# Altium PCB nRF52840-kit.PcbDoc (part 2 of 5)
Units mm, origin at the board's own origin, x right, y up, seen from the top; angles counter-clockwise.
Board outline 48 x 29.82 mm, 4 copper layers (Top Layer, Mid-Layer 1, Mid-Layer 2, Bottom Layer), stack 1.505 mm thick; 383 components, 85 nets, 1399 pads, 1434 vias.
Unrouted connection lines stored in the file: 8.
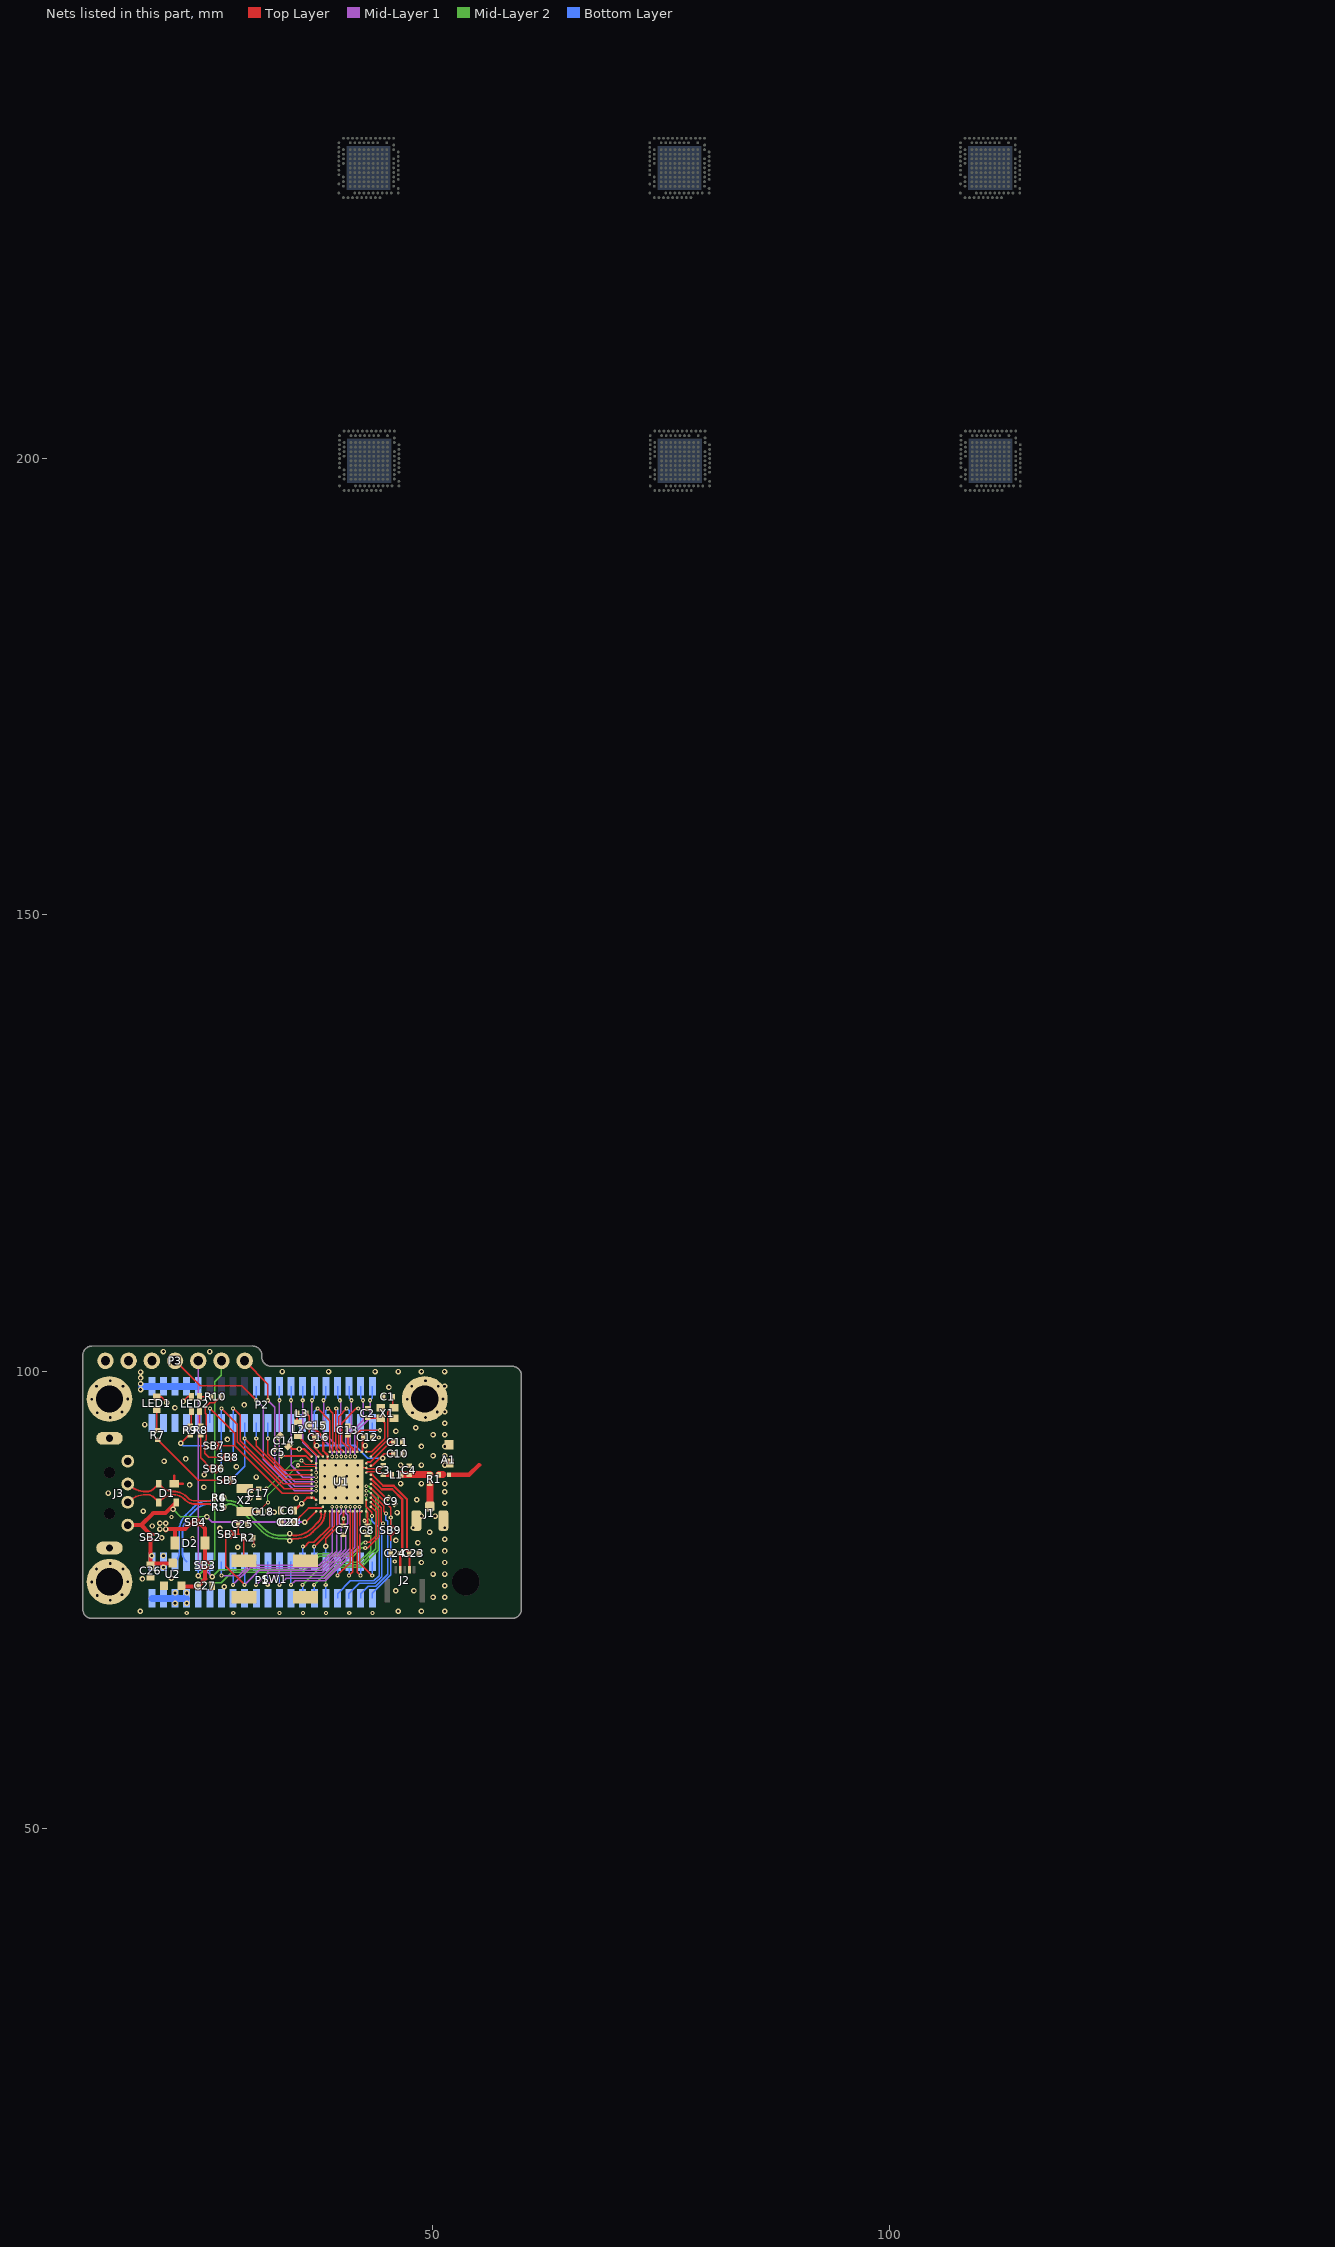
[diagram p4: the nets of this part, all layers, seen from the top]

## Footprints (in the part's own frame and the unit in brackets; to place one, negate y for a bottom-side part, rotate by r counter-clockwise, add the part's x,y. Pads: shape width x height; smd on the part's side, far side on the other; paste and mask are expansions set on the pad) (continued)
SOT-23#2 [mm] "1-G 2-S 3-D"
  silkscreen extent -1.51,-0.38 1.5,0.69, body extent -1.52,-1.23 1.48,1.27, height 1.06
Switch-PB-6.2x6.3mm-SMD#1 [mm]
  rect 2.75x1.4 smd: 1(-3.375,2) 2(-3.375,-2) 3(3.375,2) 4(3.375,-2)
  silkscreen extent -2.93,-3 3,3, body extent -4,-3 4,3.3, height 3.1
Switch-PB-6.2x6.3mm-SMD#2 [mm]
  silkscreen extent -2.93,-3 3,3, body extent -4,-3 4,3.3, height 3.1
USB-A-DIP#1 [mm]
  round 1.4 hole 0.8: 1(3.5,0) 2(1,0) 3(-1,0) 4(-3.5,0)
  oval 1.4x2.9 hole 0.8 slot 2.3 at 90 deg: 5(-6,-2) 5(6,-2)
  round 1.2 hole 1.2: ""(-2.25,-2) ""(2.25,-2)
  body extent -6.3,-19.72 6.3,0.2, height 4.5
USB-A-DIP#2 [mm]
  body extent -6.3,-19.72 6.3,0.2, height 4.5
XTAL_2016#1 [mm]
  rect 0.95x0.85 smd: 1(-0.725,-0.575) 2(0.725,-0.575) 3(0.725,0.575) 4(-0.725,0.575)
  silkscreen extent -1.08,-0.88 1.08,0.88, body extent -1.05,-0.85 1.05,0.85, height 0.56
XTAL_2016#2 [mm]
  silkscreen extent -1.08,-0.88 1.08,0.88, body extent -1.05,-0.85 1.05,0.85, height 0.56
XTAL_3215#1 [mm]
  rect 1x1.8 smd: 1(-1.25,0) 2(1.25,0)
  silkscreen extent -0.6,-0.75 0.6,0.75, body extent -1.6,-0.75 1.6,0.75, height 0.81
XTAL_3215#2 [mm]
  silkscreen extent -0.6,-0.75 0.6,0.75, body extent -1.6,-0.75 1.6,0.75, height 0.81

## Part data
A1 A1_1 A1_1_1 A1_2 A1_2_1 A1_3: "Texas Instrument"
C1 C1_1 C1_1_1 C1_2 C1_2_1 C1_3 C2 C2_1 C2_1_1 C2_2 C2_2_1 C2_3 C3 C3_1 C3_1_1 C3_2 C3_2_1 C3_3 C4 C4_1 C4_1_1 C4_2 C4_2_1 C4_3 C5 C5_1 C5_1_1 C5_2 C5_2_1 C5_3 C6 C6_1 C6_1_1 C6_2 C6_2_1 C6_3 C7 C7_1 C7_1_1 C7_2 C7_2_1 C7_3 C8 C8_1 C8_1_1 C8_2 C8_2_1 C8_3 C9 C9_1 C9_1_1 C9_2 C9_2_1 C9_3 C10 C10_1 C10_1_1 C10_2 C10_2_1 C10_3 C11 C11_1 C11_1_1 C11_2 C11_2_1 C11_3 C12 C12_1 C12_1_1 C12_2 C12_2_1 C12_3 C13 C13_1 C13_1_1 C13_2 C13_2_1 C13_3 C14 C14_1 C14_1_1 C14_2 C14_2_1 C14_3 C15 C15_1 C15_1_1 C15_2 C15_2_1 C15_3 C16 C16_1 C16_1_1 C16_2 C16_2_1 C16_3 C17 C17_1 C17_1_1 C17_2 C17_2_1 C17_3 C18 C18_1 C18_1_1 C18_2 C18_2_1 C18_3 C20 C20_1 C20_1_1 C20_2 C20_2_1 C20_3 C21 C21_1 C21_1_1 C21_2 C21_2_1 C21_3 C23 C23_1 C23_1_1 C23_2 C23_2_1 C23_3 C24 C24_1 C24_1_1 C24_2 C24_2_1 C24_3 C25 C25_1 C25_1_1 C25_2 C25_2_1 C25_3 C26 C26_1 C26_1_1 C26_2 C26_2_1 C26_3 C27 C27_1 C27_1_1 C27_2 C27_2_1 C27_3: library part Capacitor, "common library", Tolerance=±5%
D1 D1_1 D1_1_1 D1_2 D1_2_1 D1_3: "Ultra low capacitance double rail-to-rail ESD protection diode", 2nd source part number=152-4157, Manufacturer=NXP, Supplier part number=568-4140-1-ND, 2nd source Supplier=Farnell, Artikkelnr Noca=10069015, Artikkelnr Simpro=N.A., Datasheet=http://www.farnell.com/datasheets/109718.pdf, Footprint Doc=SOT-143B, LatestRevisionDate=2012-06-11, Manufacturer Part Number=PRTR5V0U2X, Part Number=PRTR5V0U2X, Published=2012-06-11, Publisher="Nordic Semiconductor", Supplier=Digi-Key
D2 D2_1 D2_1_1 D2_2 D2_2_1 D2_3: library part "Diode Schottky", "common library"
J1 J1_1 J1_1_1 J1_2 J1_2_1 J1_3: library part "IPEX connector", "Hirose", MF=Hirose, MP=U.FL-R-SMT_01_, Note=Ipex
J2 J2_1 J2_1_1 J2_2 J2_2_1 J2_3: "0.5mm FPC, 5P,Right Angle SMT,Double Contact,H=1.2mm,White, Tin plated", 2nd source part number=WM9836CT-ND, Manufacturer=W-CON, Manufacturer Part Number=5141-05RZDNWR01, Part Number=FPC_05P-0.5mm-RA-SMD, Part number IPS=00000007792, 2nd source Supplier=Digi-Key, Artikkelnr Noca=55010020, Artikkelnr Simpro=N.A., Datasheet=\\hizz\pro\app9717\Datasheet\connectores\W-CON\5141-XXRZDNXX0X.pdf, Footprint Doc=FPC_05P-0.5mm-RA-SMD, LatestRevisionDate=2016-04-21, Pin Count=7, Published=2015-06-22, Publisher="Nordic Semiconductor", Supplier=Cabcon, Supplier part number=5141-05RZDNWR01
L1 L1_1 L1_1_1 L1_2 L1_2_1 L1_3 L2 L2_1 L2_1_1 L2_2 L2_2_1 L2_3 L3 L3_1 L3_1_1 L3_2 L3_2_1 L3_3: library part Inductor, "common library"
LED1 LED1_1 LED1_1_1 LED1_2 LED1_2_1 LED1_3: library part LED, "common library", Color=Green
LED2 LED2_1 LED2_1_1 LED2_2 LED2_2_1 LED2_3: library part LED_RGB, Supplier=thegioiic, Type=RGB
P1 P1_1 P1_1_1 P1_2 P1_2_1 P1_3 P2 P2_1 P2_1_1 P2_2 P2_2_1 P2_3: library part "Header 20x2"
P3 P3_1 P3_1_1 P3_2 P3_2_1 P3_3: library part "Header 7"
R1 R1_1 R1_1_1 R1_2 R1_2_1 R1_3: library part Res_Selector, Name="Res Selector"
R2 R2_1 R2_1_1 R2_2 R2_2_1 R2_3 R3 R3_1 R3_1_1 R3_2 R3_2_1 R3_3 R4 R4_1 R4_1_1 R4_2 R4_2_1 R4_3 R5 R5_1 R5_1_1 R5_2 R5_2_1 R5_3 R6 R6_1 R6_1_1 R6_2 R6_2_1 R6_3 R7 R7_1 R7_1_1 R7_2 R7_2_1 R7_3 R8 R8_1 R8_1_1 R8_2 R8_2_1 R8_3 R9 R9_1 R9_1_1 R9_2 R9_2_1 R9_3 R10 R10_1 R10_1_1 R10_2 R10_2_1 R10_3: library part Resistor, "common library", Tolerance=±5%
SW1 SW1_1 SW1_1_1 SW1_2 SW1_2_1 SW1_3 X1 X1_1 X1_1_1 X1_2 X1_2_1 X1_3: "4-pin"
  SW1 SW1_1 SW1_1_1 SW1_2 SW1_2_1 SW1_3: Pin Count=4
U1 U1_1 U1_1_1 U1_2 U1_2_1 U1_3 U1_4 U2_1_2 U2_4 U3 U3_1 U4: "Multi-protocol Bluetooth Low Energy, IEEE 802.15.4, ANT and 2.4GHz proprietary system-on-chip", Manufacturer="Nordic Semiconductor", Manufacturer Part Number=nRF52840-QIAAC0, Part number IPS=N.A., Artikkelnr Noca=N.A., Artikkelnr Simpro=N.A., ComponentLink1Description=Datasheet, ComponentLink2Description="Supplier link", Footprint Doc=AQFN-73, LatestRevisionDate=2017-12-06, Part Number=nRF52840-QIAAC0, Pin Count=73, Published=2017-08-21, Publisher="Nordic Semiconductor", Supplier="Nordic Semiconductor", Supplier part number=nRF52840-QIAAC0
U2 U2_1 U2_1_1 U2_2 U2_2_1 U2_3: library part XC6206, "Low ESR Cap.Compatible Positive Voltage Regulators", Type=XC6206P332MR
X2 X2_1 X2_1_1 X2_2 X2_2_1 X2_3: "2-pin"
J3 J3_1 J3_2 J3_2_1 J3_3: Supplier=https://banlinhkien.vn/goods-938-usb-a-duc-smd-usb-a-s01.html, Using reference=https://hshop.vn/products/mach-chuyen-usb-uart-cp2102
SB1 SB1_1 SB1_1_1 SB1_2 SB1_2_1 SB1_3 SB2 SB2_1 SB2_1_1 SB2_2 SB2_2_1 SB2_3 SB3 SB3_1 SB3_1_1 SB3_2 SB3_2_1 SB3_3 SB4 SB4_1 SB4_1_1 SB4_2 SB4_2_1 SB4_3 SB5 SB5_1 SB5_1_1 SB5_2 SB5_2_1 SB5_3 SB6 SB6_1 SB6_1_1 SB6_2 SB6_2_1 SB6_3 SB7 SB7_1 SB7_1_1 SB7_2 SB7_2_1 SB7_3 SB8 SB8_1 SB8_1_1 SB8_2 SB8_2_1 SB8_3 SB9 SB9_1 SB9_1_1 SB9_2 SB9_2_1 SB9_3: Artikkelnr Noca=N.A., Artikkelnr Simpro=N.A., Footprint Doc=Solderbridge, LatestRevisionDate=2009-12-14, Part Number=Solderbridge, Pin Count=2, Published=2009-12-14, Publisher="Nordic Semiconductor"

## Free pads (board coordinates)
  round 5 hole 3: 0(14.6,77.02) 0(14.6,97.02) 0(49.1,97.02)
  round 3 on Top Paste: 0(14.6,77.02) 0(14.6,97.02) 0(49.1,97.02) 0(53.6,77.02) 0(96.914,15.743) 0(96.914,35.743) 0(131.414,35.743) 0(135.914,15.743) 1(96.451,137.682) 1(96.451,157.682) 1(96.876,77.107) 1(96.876,97.107) 1(130.951,157.682) 1(131.376,97.107) 1(135.451,137.682) 1(135.876,77.107) 2(14.579,15.968) 2(14.579,35.968) 2(15.254,137.768) 2(15.254,157.768) 2(49.079,35.968) 2(49.754,157.768) 2(53.579,15.968) 2(54.254,137.768)
  round 0.31 smd paste+0.012 mask+0.05: 0(40.95,229.725) 0(40.95,230.228) 0(40.95,230.731) 0(40.95,231.234) 0(40.95,231.738) 0(40.95,232.241) 0(40.95,232.744) 0(40.95,233.247) 0(40.95,233.75) 0(41.025,197.675) 0(41.025,198.178) 0(41.025,198.681) 0(41.025,199.184) 0(41.025,199.688) 0(41.025,200.191) 0(41.025,200.694) 0(41.025,201.197) 0(41.025,201.7) 0(41.45,229.725) 0(41.45,230.228) 0(41.45,230.731) 0(41.45,231.234) 0(41.45,231.738) 0(41.45,232.241) 0(41.45,232.744) 0(41.45,233.247) 0(41.45,233.75) 0(41.525,197.675) 0(41.525,198.178) 0(41.525,198.681) 0(41.525,199.184) 0(41.525,199.688) 0(41.525,200.191) 0(41.525,200.694) 0(41.525,201.197) 0(41.525,201.7) 0(41.95,229.725) 0(41.95,230.228) 0(41.95,230.731) 0(41.95,231.234) 0(41.95,231.738) 0(41.95,232.241) 0(41.95,232.744) 0(41.95,233.247) 0(41.95,233.75) 0(42.025,197.675) 0(42.025,198.178) 0(42.025,198.681) 0(42.025,199.184) 0(42.025,199.688) 0(42.025,200.191) 0(42.025,200.694) 0(42.025,201.197) 0(42.025,201.7) 0(42.45,229.725) 0(42.45,230.228) 0(42.45,230.731) 0(42.45,231.234) 0(42.45,231.738) 0(42.45,232.241) 0(42.45,232.744) 0(42.45,233.247) 0(42.45,233.75) 0(42.525,197.675) 0(42.525,198.178) 0(42.525,198.681) 0(42.525,199.184) 0(42.525,199.688) 0(42.525,200.191) 0(42.525,200.694) 0(42.525,201.197) 0(42.525,201.7) 0(42.95,229.725) 0(42.95,230.228) 0(42.95,230.731) 0(42.95,231.234) 0(42.95,231.738) 0(42.95,232.241) 0(42.95,232.744) 0(42.95,233.247) 0(42.95,233.75) 0(43.025,197.675) 0(43.025,198.178) 0(43.025,198.681) 0(43.025,199.184) 0(43.025,199.688) 0(43.025,200.191) 0(43.025,200.694) 0(43.025,201.197) 0(43.025,201.7) 0(43.45,229.725) 0(43.45,230.228) 0(43.45,230.731) 0(43.45,231.234) 0(43.45,231.738) 0(43.45,232.241) 0(43.45,232.744) 0(43.45,233.247) 0(43.45,233.75) 0(43.525,197.675) 0(43.525,198.178) 0(43.525,198.681) 0(43.525,199.184) 0(43.525,199.688) 0(43.525,200.191) 0(43.525,200.694) 0(43.525,201.197) 0(43.525,201.7) 0(43.95,229.725) 0(43.95,230.228) 0(43.95,230.731) 0(43.95,231.234) 0(43.95,231.738) 0(43.95,232.241) 0(43.95,232.744) 0(43.95,233.247) 0(43.95,233.75) 0(44.025,197.675) 0(44.025,198.178) 0(44.025,198.681) 0(44.025,199.184) 0(44.025,199.688) 0(44.025,200.191) 0(44.025,200.694) 0(44.025,201.197) 0(44.025,201.7) 0(44.45,229.725) 0(44.45,230.228) 0(44.45,230.731) 0(44.45,231.234) 0(44.45,231.738) 0(44.45,232.241) 0(44.45,232.744) 0(44.45,233.247) 0(44.45,233.75) 0(44.525,197.675) 0(44.525,198.178) 0(44.525,198.681) 0(44.525,199.184) 0(44.525,199.688) 0(44.525,200.191) 0(44.525,200.694) 0(44.525,201.197) 0(44.525,201.7) 0(44.95,229.725) 0(44.95,230.228) 0(44.95,230.731) 0(44.95,231.234) 0(44.95,231.738) 0(44.95,232.241) 0(44.95,232.744) 0(44.95,233.247) 0(44.95,233.75) 0(45.025,197.675) 0(45.025,198.178) 0(45.025,198.681) 0(45.025,199.184) 0(45.025,199.688) 0(45.025,200.191) 0(45.025,200.694) 0(45.025,201.197) 0(45.025,201.7) 0(74.975,229.725) 0(74.975,230.228) 0(74.975,230.731) 0(74.975,231.234) 0(74.975,231.738) 0(74.975,232.241) 0(74.975,232.744) 0(74.975,233.247) 0(74.975,233.75) 0(75.025,197.675) 0(75.025,198.178) 0(75.025,198.681) 0(75.025,199.184) 0(75.025,199.688) 0(75.025,200.191) 0(75.025,200.694) 0(75.025,201.197) 0(75.025,201.7) 0(75.475,229.725) 0(75.475,230.228) 0(75.475,230.731) 0(75.475,231.234) 0(75.475,231.738) 0(75.475,232.241) 0(75.475,232.744) 0(75.475,233.247) 0(75.475,233.75) 0(75.525,197.675) 0(75.525,198.178) 0(75.525,198.681) 0(75.525,199.184) 0(75.525,199.688) 0(75.525,200.191) 0(75.525,200.694) 0(75.525,201.197) 0(75.525,201.7) 0(75.975,229.725) 0(75.975,230.228) 0(75.975,230.731) 0(75.975,231.234) 0(75.975,231.738) 0(75.975,232.241) 0(75.975,232.744) 0(75.975,233.247) 0(75.975,233.75) 0(76.025,197.675) 0(76.025,198.178) 0(76.025,198.681) 0(76.025,199.184) 0(76.025,199.688) 0(76.025,200.191) 0(76.025,200.694) 0(76.025,201.197) 0(76.025,201.7) 0(76.475,229.725) 0(76.475,230.228) 0(76.475,230.731) 0(76.475,231.234) 0(76.475,231.738) 0(76.475,232.241) 0(76.475,232.744) 0(76.475,233.247) 0(76.475,233.75) 0(76.525,197.675) 0(76.525,198.178) 0(76.525,198.681) 0(76.525,199.184) 0(76.525,199.688) 0(76.525,200.191) 0(76.525,200.694) 0(76.525,201.197) 0(76.525,201.7) 0(76.975,229.725) 0(76.975,230.228) 0(76.975,230.731) 0(76.975,231.234) 0(76.975,231.738) 0(76.975,232.241) 0(76.975,232.744) 0(76.975,233.247) 0(76.975,233.75) 0(77.025,197.675) 0(77.025,198.178) 0(77.025,198.681) 0(77.025,199.184) 0(77.025,199.688) 0(77.025,200.191) 0(77.025,200.694) 0(77.025,201.197) 0(77.025,201.7) 0(77.475,229.725) 0(77.475,230.228) 0(77.475,230.731) 0(77.475,231.234) 0(77.475,231.738) 0(77.475,232.241) 0(77.475,232.744) 0(77.475,233.247) 0(77.475,233.75) 0(77.525,197.675) 0(77.525,198.178) 0(77.525,198.681) 0(77.525,199.184) 0(77.525,199.688) 0(77.525,200.191) 0(77.525,200.694) 0(77.525,201.197) 0(77.525,201.7) 0(77.975,229.725) 0(77.975,230.228) 0(77.975,230.731) 0(77.975,231.234) 0(77.975,231.738) 0(77.975,232.241) 0(77.975,232.744) 0(77.975,233.247) 0(77.975,233.75) 0(78.025,197.675) 0(78.025,198.178) 0(78.025,198.681) 0(78.025,199.184) 0(78.025,199.688) 0(78.025,200.191) 0(78.025,200.694) 0(78.025,201.197) 0(78.025,201.7) 0(78.475,229.725) 0(78.475,230.228) 0(78.475,230.731) 0(78.475,231.234) 0(78.475,231.738) 0(78.475,232.241) 0(78.475,232.744) 0(78.475,233.247) 0(78.475,233.75) 0(78.525,197.675) 0(78.525,198.178) 0(78.525,198.681) 0(78.525,199.184) 0(78.525,199.688) 0(78.525,200.191) 0(78.525,200.694) 0(78.525,201.197) 0(78.525,201.7) 0(78.975,229.725) 0(78.975,230.228) 0(78.975,230.731) 0(78.975,231.234) 0(78.975,231.738) 0(78.975,232.241) 0(78.975,232.744) 0(78.975,233.247) 0(78.975,233.75) 0(79.025,197.675) 0(79.025,198.178) 0(79.025,198.681) 0(79.025,199.184) 0(79.025,199.688) 0(79.025,200.191) 0(79.025,200.694) 0(79.025,201.197) 0(79.025,201.7) 0(108.975,229.725) 0(108.975,230.228) 0(108.975,230.731) 0(108.975,231.234) 0(108.975,231.738) 0(108.975,232.241) 0(108.975,232.744) 0(108.975,233.247) 0(108.975,233.75) 0(109.025,197.675) 0(109.025,198.178) 0(109.025,198.681) 0(109.025,199.184) 0(109.025,199.688) 0(109.025,200.191) 0(109.025,200.694) 0(109.025,201.197) 0(109.025,201.7) 0(109.475,229.725) 0(109.475,230.228) 0(109.475,230.731) 0(109.475,231.234) 0(109.475,231.738) 0(109.475,232.241) 0(109.475,232.744) 0(109.475,233.247) 0(109.475,233.75) 0(109.525,197.675) 0(109.525,198.178) 0(109.525,198.681) 0(109.525,199.184) 0(109.525,199.688) 0(109.525,200.191) 0(109.525,200.694) 0(109.525,201.197) 0(109.525,201.7) 0(109.975,229.725) 0(109.975,230.228) 0(109.975,230.731) 0(109.975,231.234) 0(109.975,231.738) 0(109.975,232.241) 0(109.975,232.744) 0(109.975,233.247) 0(109.975,233.75) 0(110.025,197.675) 0(110.025,198.178) 0(110.025,198.681) 0(110.025,199.184) 0(110.025,199.688) 0(110.025,200.191) 0(110.025,200.694) 0(110.025,201.197) 0(110.025,201.7) 0(110.475,229.725) 0(110.475,230.228) 0(110.475,230.731) 0(110.475,231.234) 0(110.475,231.738) 0(110.475,232.241) 0(110.475,232.744) 0(110.475,233.247) 0(110.475,233.75) 0(110.525,197.675) 0(110.525,198.178) 0(110.525,198.681) 0(110.525,199.184) 0(110.525,199.688) 0(110.525,200.191) 0(110.525,200.694) 0(110.525,201.197) 0(110.525,201.7) 0(110.975,229.725) 0(110.975,230.228) 0(110.975,230.731) 0(110.975,231.234) 0(110.975,231.738) 0(110.975,232.241) 0(110.975,232.744) 0(110.975,233.247) 0(110.975,233.75) 0(111.025,197.675) 0(111.025,198.178) 0(111.025,198.681) 0(111.025,199.184) 0(111.025,199.688) 0(111.025,200.191) 0(111.025,200.694) 0(111.025,201.197) 0(111.025,201.7) 0(111.475,229.725) 0(111.475,230.228) 0(111.475,230.731) 0(111.475,231.234) 0(111.475,231.738) 0(111.475,232.241) 0(111.475,232.744) 0(111.475,233.247) 0(111.475,233.75) 0(111.525,197.675) 0(111.525,198.178) 0(111.525,198.681) 0(111.525,199.184) 0(111.525,199.688) 0(111.525,200.191) 0(111.525,200.694) 0(111.525,201.197) 0(111.525,201.7) 0(111.975,229.725) 0(111.975,230.228) 0(111.975,230.731) 0(111.975,231.234) 0(111.975,231.738) 0(111.975,232.241) 0(111.975,232.744) 0(111.975,233.247) 0(111.975,233.75) 0(112.025,197.675) 0(112.025,198.178) 0(112.025,198.681) 0(112.025,199.184) 0(112.025,199.688) 0(112.025,200.191) 0(112.025,200.694) 0(112.025,201.197) 0(112.025,201.7) 0(112.475,229.725) 0(112.475,230.228) 0(112.475,230.731) 0(112.475,231.234) 0(112.475,231.738) 0(112.475,232.241) 0(112.475,232.744) 0(112.475,233.247) 0(112.475,233.75) 0(112.525,197.675) 0(112.525,198.178) 0(112.525,198.681) 0(112.525,199.184) 0(112.525,199.688) 0(112.525,200.191) 0(112.525,200.694) 0(112.525,201.197) 0(112.525,201.7) 0(112.975,229.725) 0(112.975,230.228) 0(112.975,230.731) 0(112.975,231.234) 0(112.975,231.738) 0(112.975,232.241) 0(112.975,232.744) 0(112.975,233.247) 0(112.975,233.75) 0(113.025,197.675) 0(113.025,198.178) 0(113.025,198.681) 0(113.025,199.184) 0(113.025,199.688) 0(113.025,200.191) 0(113.025,200.694) 0(113.025,201.197) 0(113.025,201.7)
  round 3 hole 3: 0(53.6,77.02)
  round 3 on Mech16: 1(14.579,15.968) 1(14.579,35.968) 1(14.6,77.02) 1(14.6,97.02) 1(15.254,137.768) 1(15.254,157.768) 1(49.079,35.968) 1(49.1,97.02) 1(49.754,157.768) 1(53.579,15.968) 1(53.6,77.02) 1(54.254,137.768) 1(96.914,15.743) 1(96.914,35.743) 1(131.414,35.743) 1(135.914,15.743) 2(14.6,77.02) 2(14.6,97.02) 2(49.1,97.02) 2(53.6,77.02) 2(96.914,15.743) 2(96.914,35.743) 2(131.414,35.743) 2(135.914,15.743)
  round 3 on Top Paste paste+0.012 mask+0.05: 3(55.2,220) 3(55.275,187.95) 3(89.225,220) 3(89.275,187.95) 3(123.225,220) 3(123.275,187.95) 4(31.2,220) 4(31.275,187.95) 4(65.225,220) 4(65.275,187.95) 4(99.225,220) 4(99.275,187.95) 5(55.2,242) 5(55.275,209.95) 5(89.225,242) 5(89.275,209.95) 5(123.225,242) 5(123.275,209.95) 6(31.2,242) 6(31.275,209.95) 6(65.225,242) 6(65.275,209.95) 6(99.225,242) 6(99.275,209.95)
  rect 7.1x7.1 on Top Paste paste+0.012 mask+0.05: 7(77.025,199.65) 7(110.975,231.7) 8(42.95,231.75) 8(43.025,199.7) 8(76.975,231.75)

## Via types
v1: diameter 0.6, hole 0.3, Top Layer to Bottom Layer, tented both sides, 828 vias
v2: diameter 0.45, hole 0.2, Top Layer to Bottom Layer, tented both sides, 384 vias
v3: diameter 0.4, hole 0.2, Top Layer to Bottom Layer, tented bottom, 126 vias
v4: diameter 0.61, hole 0.305, Top Layer to Bottom Layer, tented bottom, 96 vias

## Nets (pads, with @x,y where several pads share a name; then routed paths per layer and width w, separated by ;. In a path a pad name is that pad's centre, name@x,y a point inside that pad or via, vN(x,y) a via of type N, cw(c..) or ccw(c..) an arc to the next point about the centre after c; other vN are vias at no path point)
3V3: C27.2 P1.2 P1.4 P1.6 P1.8 SB3.2 U2.2 | length 8
  Top Layer w0.457: U2.2@22.471,76.511 24.273,76.511 C27.2@24.322,76.56 25.072,77.31 25.064,77.318 SB3.2@25.064,78.534
  Bottom Layer w0.762: P1.2@19.235,75.211 P1.4@20.505,75.211 P1.6@21.775,75.211 P1.8@23.045,75.211
  other v1: 21.775,74.66 23.045,74.66 21.775,75.803 23.045,75.803
ANT: A1.1 R1.2 | length 0.4
  Top Layer w0.762: R1.2@50.657,88.74 51.082,88.74
D1_N: D1.3 J3.2 R3.1 | length 10.7
  Top Layer w0.203: J3.2@16.6,85.72 cw(c18.607,83.713) 18.607,86.551 18.714,86.551 cw(c18.714,85.518) 19.444,86.249 ; 19.444,86.249 D1.3@19.989,85.704 20.271,85.986 cw(c21.635,84.623) 21.635,86.551 cw(c21.635,84.917) 22.79,86.073 22.905,85.958 ccw(c23.947,87) 23.947,85.526 25.435,85.526 cw(c25.435,84.746) 25.986,85.298 R3.1@26.088,85.196
D1_P: D1.2 J3.3 R4.1 | length 10.7
  Top Layer w0.203: J3.3@16.6,87.72 ccw(c18.563,89.683) 18.563,86.907 18.714,86.907 ccw(c18.714,87.94) 19.444,87.209 D1.2@19.989,87.754 20.271,87.472 ccw(c21.635,88.835) 21.635,86.907 cw(c21.635,84.917) 23.042,86.324 23.156,86.209 ccw(c23.947,87) 23.947,85.882 25.435,85.882 ccw(c25.435,86.662) 25.986,86.11 R4.1@26.088,86.212
D2_N: P1.7 R5.1 | length 8.6
  Bottom Layer w0.203: P1.7@23.045,79.211 22.943,79.312 cw(c23.802,80.171) 22.588,80.171 22.588,82.275 cw(c25.483,82.275) 23.436,84.322 23.971,84.858 cw(c25.585,83.244) 25.585,85.526 cw(c25.585,85.109) 25.88,85.404 R5.1@26.088,85.196
D2_P: P1.5 R6.1 | length 9.2
  Bottom Layer w0.203: P1.5@21.775,79.211 21.877,79.312 ccw(c21.018,80.171) 22.232,80.171 22.232,82.569 cw(c24.772,82.569) 22.976,84.366 23.748,85.138 cw(c25.545,83.342) 25.545,85.882 25.585,85.882 ccw(c25.585,86.299) 25.88,86.004 R6.1@26.088,86.212
D_N: R4.2 R6.2 U1.AD4 | length 13.7
  Top Layer w0.203: v1(34.335,82.3) 34.362,82.273 ccw(c34.818,82.728) 34.818,82.085 ccw(c34.818,84.875) 36.79,82.902 37.414,83.526 ccw(c36.523,84.417) 37.784,84.417 cw(c37.958,84.591) 37.711,84.591 U1.AD4@37.711,84.728
  Mid-Layer 2 w0.203: v1(27.088,86.212) 27.197,86.103 ccw(c27.731,86.637) 27.731,85.882 cw(c27.731,84.165) 28.945,85.379 31.496,82.828 ccw(c33.292,84.625) 33.292,82.085 33.814,82.085 ccw(c33.814,82.822) v1(34.335,82.3)
D_P: R3.2 R5.2 U1.AD6 | length 14.3
  Top Layer w0.203: v1(34.335,81.513) 34.362,81.54 cw(c34.818,81.085) 34.818,81.729 35.068,81.729 ccw(c35.068,84.269) 36.865,82.473 37.666,83.274 ccw(c36.523,84.417) 38.139,84.417 ccw(c37.965,84.591) 38.211,84.591 U1.AD6@38.211,84.728
  Mid-Layer 2 w0.203: v1(27.088,85.196) 27.197,85.305 cw(c27.731,84.771) 27.731,85.526 cw(c27.731,84.165) 28.693,85.128 ; 28.694,85.127 31.244,82.577 ccw(c33.292,84.625) 33.292,81.729 33.814,81.729 cw(c33.814,80.992) v1(34.335,81.513)